# Allegro board ADALM-PLUTO Layout.brd (continued)
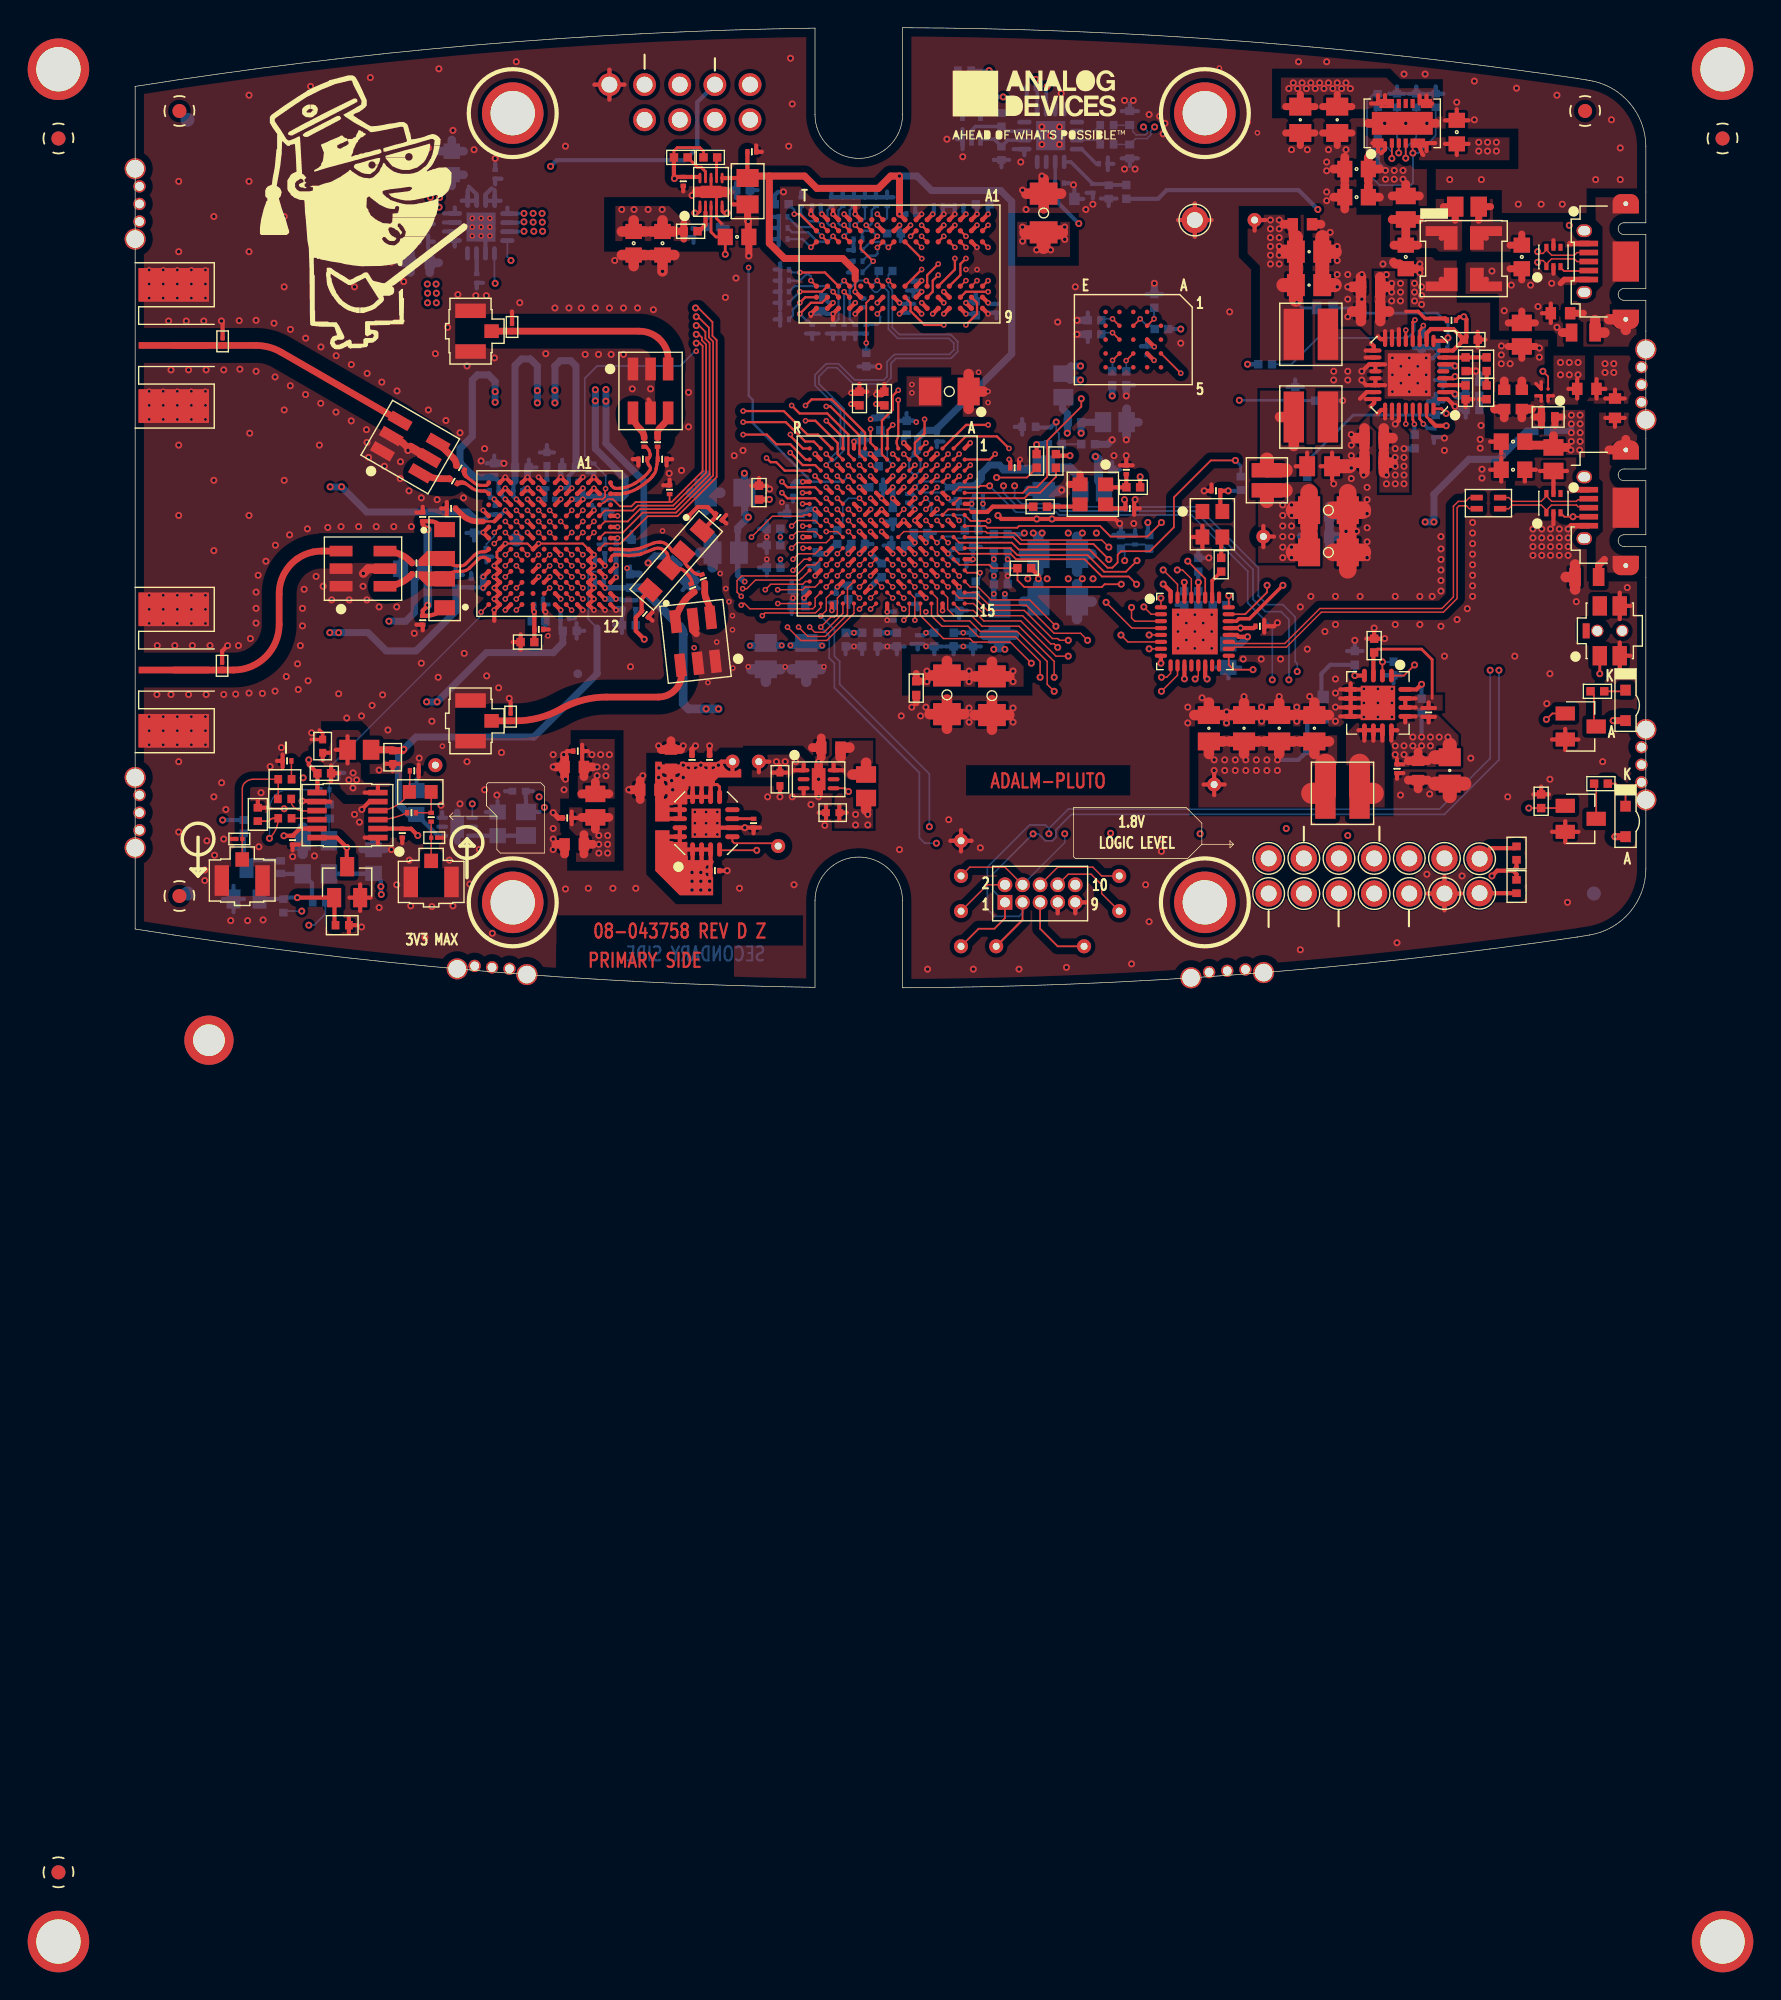
[diagram p0: board, top side]
## Footprints (pads in the part's own frame, mm; a bottom-side part is the same pattern mirrored in y, then rotated) (continued)
L0805
  rect 1.194x1.448 smd: 1(-0.85,0) 2(0.85,0)
L0805-4PH39
  rect 0.889x0.406 smd: 1(-0.845,-0.403) 2(0.845,-0.403) 3(0.845,0.403) 4(-0.845,0.403)
L0805-F
  rect 1.092x1.499 smd: 1(-1.046,0) 2(1.046,0)
L2020_A
  custom 2.311x1.702 smd: 1(-1.606,-1.501) 2(1.606,-1.501) 3(1.606,1.501) 4(-1.606,1.501)
LED0804
  rect 0.787x0.762 smd: A(1.1,0) C(-1.1,0)
LSMSQ79H41
  rect 1.041x2.21 smd: 1(-0.724,0) 2(0.724,0)
LSMSQ157H83
  rect 1.473x3.683 smd: 1(-1.232,0) 2(1.232,0)
MSOP12
  rect 0.406x1.397 smd: 1(-1.625,-2.2) 2(-0.975,-2.2) 3(-0.325,-2.2) 4(0.325,-2.2) 5(0.975,-2.2) 6(1.625,-2.2) 7(1.625,2.2) 8(0.975,2.2) 9(0.325,2.2) 10(-0.325,2.2) 11(-0.975,2.2) 12(-1.625,2.2)
QFN16_4X4_PAD2_1X2_1
  oval 0.356x1.041 smd: 1(-0.975,-1.9) 2(-0.325,-1.9) 3(0.325,-1.9) 4(0.975,-1.9) 9(0.975,1.9) 10(0.325,1.9) 11(-0.325,1.9) 12(-0.975,1.9)
  oval 1.041x0.356 smd: 5(1.9,-0.975) 6(1.9,-0.325) 7(1.9,0.325) 8(1.9,0.975) 13(-1.9,0.975) 14(-1.9,0.325) 15(-1.9,-0.325) 16(-1.9,-0.975)
  rect 2.108x2.108 smd: PAD(0,0)
QFN16_4X4_PAD2_5X2_5
  oval 0.356x0.991 smd: 1(-0.975,-1.974) 2(-0.325,-1.974) 3(0.325,-1.974) 4(0.975,-1.974) 9(0.975,1.974) 10(0.325,1.974) 11(-0.325,1.974) 12(-0.975,1.974)
  oval 0.991x0.356 smd: 5(1.974,-0.975) 6(1.974,-0.325) 7(1.974,0.325) 8(1.974,0.975) 13(-1.974,0.975) 14(-1.974,0.325) 15(-1.974,-0.325) 16(-1.974,-0.975)
  rect 2.489x2.489 smd: PAD(0,0)
QFN32_5X5_PAD3_1X3_1
  oval 0.305x0.889 smd: 1(-1.75,-2.45) 2(-1.25,-2.45) 3(-0.75,-2.45) 4(-0.25,-2.45) 5(0.25,-2.45) 6(0.75,-2.45) 7(1.25,-2.45) 8(1.75,-2.45) 17(1.75,2.45) 18(1.25,2.45) 19(0.75,2.45) 20(0.25,2.45) 21(-0.25,2.45) 22(-0.75,2.45) 23(-1.25,2.45) 24(-1.75,2.45)
  oval 0.889x0.305 smd: 9(2.45,-1.75) 10(2.45,-1.25) 11(2.45,-0.75) 12(2.45,-0.25) 13(2.45,0.25) 14(2.45,0.75) 15(2.45,1.25) 16(2.45,1.75) 25(-2.45,1.75) 26(-2.45,1.25) 27(-2.45,0.75) 28(-2.45,0.25) 29(-2.45,-0.25) 30(-2.45,-0.75) 31(-2.45,-1.25) 32(-2.45,-1.75)
  rect 3.099x3.099 smd: PAD(0,0)
QFN32_5X5_PAD3_3X3_3
  oval 0.305x0.889 smd: 1(-1.75,-2.45) 2(-1.25,-2.45) 3(-0.75,-2.45) 4(-0.25,-2.45) 5(0.25,-2.45) 6(0.75,-2.45) 7(1.25,-2.45) 8(1.75,-2.45) 17(1.75,2.45) 18(1.25,2.45) 19(0.75,2.45) 20(0.25,2.45) 21(-0.25,2.45) 22(-0.75,2.45) 23(-1.25,2.45) 24(-1.75,2.45)
  oval 0.889x0.305 smd: 9(2.45,-1.75) 10(2.45,-1.25) 11(2.45,-0.75) 12(2.45,-0.25) 13(2.45,0.25) 14(2.45,0.75) 15(2.45,1.25) 16(2.45,1.75) 25(-2.45,1.75) 26(-2.45,1.25) 27(-2.45,0.75) 28(-2.45,0.25) 29(-2.45,-0.25) 30(-2.45,-0.75) 31(-2.45,-1.25) 32(-2.45,-1.75)
  rect 3.302x3.302 smd: PAD(0,0)
R0201
  rect 0.305x0.406 smd: 1(-0.318,0) 2(0.318,0)
R0402
  rect 0.61x0.61 smd: 1(-0.495,0) 2(0.495,0)
R0402#2
  rect 0.559x0.61 smd: 1(-0.483,0) 2(0.483,0)
R0402#3
  rect 0.533x0.635 smd: 1(-0.45,0) 2(0.45,0)
R0603
  rect 0.889x0.813 smd: 1(-0.737,0) 2(0.737,0)
R0603#2
  rect 0.711x0.914 smd: 1(-0.6,0) 2(0.6,0)
R0603H18
  rect 0.94x0.991 smd: 1(-0.787,0) 2(0.787,0)
R0805
  rect 0.838x1.295 smd: 1(-0.85,0) 2(0.85,0)
SON10_2X2_PAD1_5X0_9
  oval 0.203x0.762 smd: 1(-0.8,-1) 2(-0.4,-1) 3(0,-1) 4(0.4,-1) 5(0.8,-1) 6(0.8,1) 7(0.4,1) 8(0,1) 9(-0.4,1) 10(-0.8,1)
  rect 1.499x0.889 smd: PAD(0,0)
SOT23
  rect 1.016x1.397 smd: 1(-0.94,-1.118) 2(0.94,-1.118) 3(0,1.118)
SOT353
  rect 0.33x0.94 smd: 1(-0.65,-0.89) 2(0,-0.89) 3(0.65,-0.89) 4(0.65,0.89) 5(-0.65,0.89)
SOT-563
  rect 0.305x0.508 smd: 1(-0.508,-0.699) 2(0,-0.699) 3(0.508,-0.699) 4(0.508,0.699) 5(0,0.699) 6(-0.508,0.699)
SWSML140W138H55
  round 0.889 hole 0.711 unplated: (-0.9,0) (0.9,0)
  rect 1.041x1.397 smd: 1(-0.721,-1.799) 2(-0.721,1.799) 3(0.721,-1.799) 4(0.721,1.799)
  rect 0.508x1.092 smd: 5(-1.704,0)
TBGA24
  round 0.33 smd: A2(-2,-1) A3(-2,0) A4(-2,1) A5(-2,2) B1(-1,-2) B2(-1,-1) B3(-1,0) B4(-1,1) B5(-1,2) C1(0,-2) C2(0,-1) C3(0,0) C4(0,1) C5(0,2) D1(1,-2) D2(1,-1) D3(1,0) D4(1,1) D5(1,2) E1(2,-2) E2(2,-1) E3(2,0) E4(2,1) E5(2,2)
TPC75D45
  round 1.905 hole 1.143: 1(0,0)
TPSMC40
  round 1.016 hole 0.508: 1(0,0)
TPSMC40#2
  round 1.016 smd: 1(0,0)
TPSMC40#3
  round 1.905 hole 1.143: 1(0,0)
TSML150W160H160
  rect 0.762x1.651 smd: 1(-1.27,1.587) 2(0,1.587) 3(1.27,1.587) 4(1.27,-1.587) 5(0,-1.587) 6(-1.27,-1.587)
unnamed
  round 3.556 hole 2.286 unplated: (0,0)
unnamed#5
  round 4.445 hole 3.2 unplated: (0,0)
unnamed#6
  round 1.524 hole 1.27 unplated: (0,0)
unnamed#7
  round 0.889 hole 0.635 unplated: (0,0)
unnamed#8
  round 1.016 smd: (0,0)
unnamed#3
  round 1.905 hole 1.143: 1(0,0)
unnamed#2
  round 1.651 hole 1.143: 1(0,0)
unnamed#4
  round 1.016 hole 0.508: 1(0,0)
WLCSP4-2
  round 0.254 smd: A1(-0.25,-0.25) A2(-0.25,0.25) B1(0.25,-0.25) B2(0.25,0.25)
YSML98W79H35
  rect 1.092x0.991 smd: 1(-0.921,-0.72) 2(0.921,-0.72) 3(0.921,0.72) 4(-0.921,0.72)
YSML126W98H47
  rect 1.397x1.194 smd: 1(-1.2,-0.95) 2(1.2,-0.95) 3(1.2,0.95) 4(-1.2,0.95)

## Nets
1V8: C1.1 C10.1 C22.1 C25.1 C46.1 C48.1 C49.1 C50.1 C51.1 C52.1 C53.1 C65.1 C67.1 C69.1 C76.1 C77.1 C78.1 C82.1 C83.1 C90.1 C103.1 C104.1 C105.1 C106.1 C107.1 C108.1 C109.1 C110.1 C111.1 C112.1 C113.1 C114.1 C115.1 C116.1 C117.1 C118.1 C119.1 C120.1 C140.1 C149.1 C150.1 C152.1 C153.1 C154.1 C158.1 C159.1 C160.1 C161.1 C162.1 C163.2(N2) C168.1 C174.1 C186.1 C190.1 E1.1 E4.1 E5.1 L5.2(N2) P1.10(N5) R8.1 R11.1 R13.1 R14.1 R44.1 R45.1 R46.2(N2) R47.2(N2) R50.2(N2) R57.1 R64.2(N2) R68.1 R74.1 R76.1 R83.1 R84.2(N2) R94.1 R97.1 R107.1 R122.2(N2) U1.1 U1.2 U1.3 U1.15 U1.16 U4.A6 U4.B13 U4.C10 U4.D7 U4.E14 U4.F11 U4.G4 U4.H4 U4.H9 U4.H15 U4.J4 U4.J6 U4.J8 U4.J12 U4.K8 U4.K9 U4.L6 U4.M13 U4.N10 U4.P7 U4.R14 U7.1 U7.2 U7.3 U7.15 U7.16 U9.1(VCCIO) U10.5 U13.B4 U15.8 U15.11 U15.14 U15.28 U15.30 U15.32 UNK1V8.1 UNK1V8#2.1 Y1.4(VDD) Y2.4(VDD)
1V35: C54.1 C55.1 C56.1 C57.1 C58.1 C59.1 C60.1 C61.1 C86.1 C87.1 C88.1 C89.1 C91.1 C92.1 C94.1 C95.1 C96.1 C97.1 C100.1 C145.1 C148.1 C151.1 L2.2(N2) R41.2(N2) R62.1 U2.A1 U2.A8 U2.B2 U2.C1 U2.C9 U2.D2 U2.D9 U2.E9 U2.F1 U2.G7 U2.H2 U2.H9 U2.K2 U2.K8 U2.N1 U2.N9 U2.R1 U2.R9 U4.B3 U4.E4 U4.F1 U4.J2 U4.M3 U4.R4 U14.1 UNK1V35.1
GND: C1.2(N2) C2.2(N2) C3.2(N2) C4.2(N2) C5.2(N2) C6.2(N2) C7.1 C8.2(N2) C9.2(N2) C10.2(N2) C11.2(N2) C12.2(N2) C13.2(N2) C14.2(N2) C15.2(N2) C16.2(N2) C17.2(N2) C18.2(N2) C19.2(N2) C20.2(N2) C21.2(N2) C22.2(N2) C23.2(N2) C24.2(N2) C25.2(N2) C26.2(N2) C27.2(N2) C28.2(N2) C29.2(N2) C30.2(N2) C31.2(N2) C32.2(N2) C33.2(N2) C34.2(N2) C35.2(N2) C36.2(N2) C37.2(N2) C38.2(N2) C39.2(N2) C40.2(N2) C41.2(N2) C42.2(N2) C43.2(N2) C44.2(N2) C45.2(N2) C46.2(N2) C47.2(N2) C48.2(N2) C49.2(N2) C50.2(N2) C51.2(N2) C52.2(N2) C53.2(N2) C54.2(N2) C55.2(N2) C56.2(N2) C57.2(N2) C58.2(N2) C59.2(N2) C60.2(N2) C61.2(N2) C62.1 C63.1 C64.2(N2) C65.2(N2) C66.2(N2) C67.2(N2) C68.2(N2) C69.2(N2) C70.2(N2) C71.2(N2) C72.2(N2) C73.2(N2) C74.2(N2) C75.2(N2) C76.2(N2) C77.2(N2) C78.2(N2) C79.2(N2) C80.2(N2) C81.2(N2) C82.2(N2) C83.2(N2) C84.2(N2) C85.2(N2) C86.2(N2) C87.2(N2) C88.2(N2) C89.2(N2) C90.2(N2) C91.2(N2) C92.2(N2) C94.2(N2) C95.2(N2) C96.2(N2) C97.2(N2) C99.1 C100.2(N2) C101.2(N2) C102.2(N2) C103.2(N2) C104.2(N2) C105.2(N2) C106.2(N2) C107.2(N2) C108.2(N2) C109.2(N2) C110.2(N2) C111.2(N2) C112.2(N2) C113.2(N2) C114.2(N2) C115.2(N2) C116.2(N2) C117.2(N2) C118.2(N2) C119.2(N2) C120.2(N2) C121.2(N2) C122.2(N2) C123.2(N2) C124.2(N2) C125.1 C126.1 C127.2(N2) C128.2(N2) C129.1 C135.2(N2) C136.2(N2) C137.2(N2) C138.2(N2) C139.1 C140.2(N2) C141.2(N2) C142.1 C143.1 C145.2(N2) C146.2(N2) C147.1 C148.2(N2) C149.2(N2) C150.2(N2) C151.2(N2) C152.2(N2) C153.2(N2) C154.2(N2) C155.2(N2) C158.2(N2) C159.2(N2) C160.2(N2) C161.2(N2) C162.2(N2) C163.1 C164.2(N2) C165.2(N2) C166.1 C167.2(N2) C168.2(N2) C169.2(N2) C170.2(N2) C171.2(N2) C172.2(N2) C173.2(N2) C174.2(N2) C177.1 C178.2(N2) C180.2(N2) C182.2(N2) C183.2(N2) C184.2(N2) C185.2(N2) C186.2(N2) C187.2(N2) C188.2(N2) C189.2(N2) C190.2(N2) C191.2(N2) C192.2(N2) C193.1 C194.1 C195.2(N2) C196.1 C197.1 C198.2(N2) C199.2(N2) C200.2(N2) C201.2(N2) C202.2(N2) C203.2(N2) C205.2(N2) C206.2(N2) C207.1 C208.2(N2) C209.2(N2) C210.2(N2) C211.2(N2) C212.2(N2) C213.2(N2) C215.2(N2) CLK_IN.2 CLK_IN.3(SH2) CLK_OUT.2 CLK_OUT.3(SH2) D1.2 D3.1 D4.1 D7.1 D8.1 D9.1 D10.1 E6.1 E10.1 GND.1 GND#2.1 GND#3.1 GND#4.1 L10.3 P1.7 P1.9 P2.5 Q1.2(S) Q2.2(S) Q3.2(S) Q4.2(S) R2.1 R3.1 R9.2(N2) R15.2(N2) R40.2(N2) R42.2(N2) R49.1 R53.1 R54.2(N2) R55.2(N2) R61.1 R63.2(N2) R65.1 R66.1 R69.1 R72.2(N2) R73.2(N2) R75.2(N2) R77.2(N2) R78.1 R90.2(N2) R91.2(N2) R92.2(N2) R93.2(N2) R99.2(N2) R103.2(N2) R104.1 R116.2(N2) R119.2(N2) R120.2(N2) R121.2(N2) R165.2(N2) RX1A.2 RX1A.3 RX1A.4 RX1A.5(SH4) RX2A.2 RX2A.3(SH2) S1.3 S1.4 T1.1 T1.2 T1.5 T2.1 T2.2 T2.5 T3.1 T3.2 T3.5 T5.1 T5.2 T5.5 TX1A.2 TX1A.3 TX1A.4 TX1A.5(SH4) TX2A.2 TX2A.3(SH2) U1.6 U1.PAD U2.A9 U2.B1 U2.B3 U2.B9 U2.D1 U2.D8 U2.E1 U2.E2 U2.E8 U2.F9 U2.G1 U2.G8 U2.G9 U2.J2 U2.J8 U2.M1 U2.M9 U2.P1 U2.P9 U2.T1 U2.T9 U3.5 U3.6 U3.7 U3.8 U3.PAD U4.A1 U4.A11 U4.B8 U4.C5 U4.C15 U4.D2 U4.D12 U4.E5 U4.E7 U4.E8 U4.E9 U4.F10 U4.G3 U4.G5 U4.G13 U4.H6 U4.H8 U4.H10 U4.J5 U4.J9 U4.K4 U4.K7 U4.K10 U4.K14 U4.L1 U4.L5 U4.L11 U4.M8 U4.N5 U4.N15 U4.P2 U4.P12 U4.R9 U5.A4 U5.A5 U5.A6 U5.A12 U5.B1 U5.B2 U5.B12 U5.C1 U5.C2 U5.C4 U5.C7 U5.C8 U5.C9 U5.C10 U5.C11 U5.C12 U5.D1 U5.D12 U5.E1 U5.F1 U5.F3 U5.F7 U5.F9 U5.F11 U5.G1 U5.G10 U5.G12 U5.H1 U5.H2 U5.H3 U5.H5 U5.H6 U5.H7 U5.H9 U5.H10 U5.J1 U5.J2 U5.K1 U5.K2 U5.K12 U5.L1 U5.L2 U5.L3 U5.L7 U5.L8 U5.L9 U5.L10 U5.L11 U5.L12 U5.M4 U5.M5 U5.M6 U6.1 U6.19 U6.20 U6.21 U6.22 U6.PAD U7.6 U7.PAD U8.PAD U9.3 U9.13 U9.PAD U10.3 U11.3 U11.PAD U12.3 U12.PAD U13.B3 U14.4 U14.8 U14.PAD U15.PAD U16.B2 U17.1 U17.5 U17.8 Y1.2 Y2.2 Y3.2
PGND: C181.1 C214.2(N2) D2.2 E10.2(N2) L10.4(N4) P3.5 R58.2(N2)
VCCPINT: C17.1 C19.1 C20.1 C21.1 C64.1 C66.1 C68.1 C70.1 C71.1 C72.1 C73.1 C74.1 C75.1 L4.2(N2) R7.2(N2) U4.E10 U4.F9 U4.G6 U4.G10 U4.H5 U4.J10 U4.K5 U4.L10 UNK1P0V.1
VCCPLL: C85.1 C178.1 E1.2(N2) U4.F5(VCCPLL)
VDD33_USB: C165.1 U15.20
VDD_INTERFACE: C32.1 C33.1 C38.1 C43.1 C44.1 C45.1 E4.2(N2) U5.H12
VDDA1P1_RX_VCO: C125.2(N2) R51.2(N2) U5.G2 U5.G3
VIN: C8.1 C9.1 C11.1 C62.2(N2) C123.1 C135.1 C136.1 C137.1 C138.1 C164.1 C169.1 C184.1 C185.1 C188.1 C215.1 DS1.A(P) DS2.A(P) E2.1 E7.1 R1.2(N2) R6.1 R56.1 R59.2(N2) R221.1 R222.1 U3.12 U3.13 U6.14 U6.15 U6.16(VIN6) U6.25 U6.26 U6.27 U6.28 U8.9 U8.10 U8.15 U8.16 U9.10 U14.10 U15.21
VIN_5V_USB_DATA: C183.1 C210.1 E3.1 F1.2(N2) R88.1 U8.7 U8.8
VIN_5V_USB_POWER: C182.1 C209.1 C212.1 E9.1 R70.1 R80.1 U8.1 U8.2 U16.A1
1P3_SUPPLY_A: C14.1 C15.1 C16.1 C18.1 C23.1 C24.1 C28.1 C29.1 C34.1 C35.1 C39.1 C40.1 U5.B9 U5.B10 U5.E2 U5.F2 U5.J3 U5.K3 U7.9 U7.10 U7.11 U7.12 U7.13 U7.14(VOUT5) UNK1P3V_A.1
1P3_SUPPLY_B: C3.1 C4.1 C5.1 C6.1 C26.1 C27.1 C30.1 C31.1 C36.1 C37.1 C41.1 C42.1 C129.2(N2) C155.1 C166.2(N2) C167.1 C191.1 C192.1 C193.2(N2) C194.2(N2) L1.1 L7.1 L8.1 L9.1 U1.9 U1.10 U1.11 U1.12 U1.13 U1.14(VOUT5) U5.A9 U5.A10 U5.D2 U5.D3 U5.E3 U5.F12 U5.K4 U5.M9 U5.M10 UNK1P3V_B.1
1P8V_CLK: C121.1 C122.1 C170.1 R101.1 U12.1(VOUT) UNK1P8V_CLK.1 Y3.4(VDD)
3P3V: C198.1 C199.1 C203.1 E8.1 U5.B8 U11.1(VOUT) VDD_GPO.1(N1)
3P3V_CLK: C200.1 C201.1 C202.1 E8.2(N2) R85.1 U17.2 U17.6 U17.11(VDD)
AD9363_AUXADC: ADC.1(N1) C207.2(N2) U5.L5
AD9363_AUXDAC1: C206.1 DAC1.1(N1) R5.1 U5.B3
AD9363_AUXDAC2: C208.1 DAC2.1(N1) U5.C3
AD9363_GPO_0: GPO0.1(N1) U5.B7
AD9363_GPO_1: GPO1.1(N1) U5.B6
AD9363_GPO_2: GPO2.1(N1) U5.B5
AD9363_GPO_3: GPO3.1(N1) U5.B4
ADP2114_VIN: C141.1 R56.2(N2) U6.4 U6.8 U6.10 U6.31
CLK_SOURCE_SEL: Q2.1 Q3.1 R102.1 R103.1
COMP_1P8V: C142.2(N2) R60.1 U6.2
COMP_1P35V: C143.2(N2) C144.1 U6.7
CTRL_IN0: U4.F13 U5.C5
CTRL_IN1: U4.F14 U5.C6
CTRL_IN2: U4.G15 U5.D6
CTRL_IN3: U4.F15 U5.D5
DDR3_A0: R16.1 U2.N3 U4.P1
DDR3_A1: R22.1 U2.P7 U4.N1
DDR3_A2: R17.1 U2.P3 U4.M1
DDR3_A3: R23.1 U2.N2 U4.M4
DDR3_A4: R18.1 U2.P8 U4.P3
DDR3_A5: R24.1 U2.P2 U4.P4
DDR3_A6: R19.1 U2.R8 U4.P5
DDR3_A7: R25.1 U2.R2 U4.M5
DDR3_A8: R20.1 U2.T8 U4.P6
DDR3_A9: R26.1 U2.R3 U4.N4
DDR3_A10: R21.1 U2.L7 U4.J1
DDR3_A11: R27.1 U2.R7 U4.L2
DDR3_A12: R28.1 U2.N7 U4.M2
DDR3_A13: R34.1 U2.T3 U4.K2
DDR3_A14: R29.1 U2.T7 U4.K1
DDR3_BA0: R35.1 U2.M2 U4.M6
DDR3_BA1: R30.1 U2.N8 U4.R1
DDR3_BA2: R36.1 U2.M3 U4.N6
DDR3_CAS#: R32.1 U2.K3 U4.R5
DDR3_CK_N: R142.2(N2) U2.K7 U4.N2
DDR3_CK_P: R142.1 U2.J7 U4.N3
DDR3_CKE: R38.1 U2.K9 U4.L3
DDR3_CS#: R39.1 U2.L2 U4.R2
DDR3_DM0: U2.E7 U4.B1
DDR3_DM1: U2.D3 U4.D3
DDR3_DQ0: U2.E3 U4.D4
DDR3_DQ1: U2.F7 U4.A2
DDR3_DQ2: U2.F2 U4.C4
DDR3_DQ3: U2.F8 U4.C1
DDR3_DQ4: U2.H3 U4.B4
DDR3_DQ5: U2.H8 U4.A4
DDR3_DQ6: U2.G2 U4.C3
DDR3_DQ7: U2.H7 U4.A3
DDR3_DQ8: U2.D7 U4.E1
DDR3_DQ9: U2.C3 U4.D1
DDR3_DQ10: U2.C8 U4.E2
DDR3_DQ11: U2.C2 U4.E3
DDR3_DQ12: U2.A7 U4.F3
DDR3_DQ13: U2.A2 U4.G1
DDR3_DQ14: U2.B8 U4.H1
DDR3_DQ15: U2.A3 U4.H2
DDR3_DQS0_N: U2.G3 U4.B2
DDR3_DQS0_P: U2.F3 U4.C2
DDR3_DQS1_N: U2.B7 U4.F2
DDR3_DQS1_P: U2.C7 U4.G2
DDR3_ODT: R33.1 U2.K1 U4.K3
DDR3_RAS#: R37.1 U2.J3 U4.R6
DDR3_RST#: R42.1 U2.T2 U4.L4
DDR3_WE#: R31.1 U2.L3 U4.R3
EN_DAT_USB: R71.2(N2) R72.1 U8.6
EN_POW_USB: R70.2(N2) R71.1 U8.3
FB0: R2.2(N2) R4.1 U3.4
FB_1P8V: R64.1 R65.2(N2) U6.32
FB_1P35V: R62.2(N2) R63.1 U6.9
IO_02_34_AD9361_CLKOUT: AD9361_CLKOUT.1(N1) U4.P8 U5.J6
IO_02_34_AD9361_RST: U4.P9 U5.K5
IO_L01_34_FB_CLK: U4.P10 U5.F10
IO_L01_34_RX_D0: U4.H14 U5.K11
IO_L01_34_RX_D1: U4.J13 U5.J12
IO_L02_34_RX_D2: U4.G14 U5.K10
IO_L02_34_RX_D3: U4.H13 U5.J11
IO_L03_34_RX_D4: U4.G12 U5.K9
IO_L03_34_RX_D5: U4.H12 U5.J10
IO_L04_34_RX_D6: U4.G11 U5.K8
IO_L04_34_RX_D7: U4.J14 U5.J9
IO_L05_34_RX_D8: U4.J15 U5.K7
IO_L05_34_RX_D9: U4.K15 U5.J8
IO_L06_34_RX_D10: U4.H11 U5.J7
IO_L06_34_RX_D11: U4.J11 U5.H8
IO_L07_34_RX_FRAME: U4.N13 U5.G8
IO_L08_34_CTRL_OUT0: U4.L15 U5.D4
IO_L08_34_CTRL_OUT1: U4.M15 U5.E4
IO_L09_34_TX_FRAME: U4.L14 U5.G9
IO_L10_34_EN_AGC: U4.L13 U5.G5
IO_L11_34_ENABLE: U4.K12 U5.G6
IO_L11_34_TXNRX: U4.K11 U5.H4
IO_L12_MRCC_34_DATA_CLK: U4.L12 U5.G11
IO_L13_34_CTRL_OUT2: U4.N11 U5.E5
IO_L13_34_CTRL_OUT3: U4.N12 U5.E6
IO_L15_34_TX_D0: U4.P15 U5.E12
IO_L15_34_TX_D1: U4.R13 U5.D11
IO_L16_34_TX_D2: U4.R15 U5.E11
IO_L16_34_TX_D3: U4.P11 U5.D10
IO_L17_34_TX_D4: U4.R11 U5.E10
IO_L17_34_TX_D5: U4.R12 U5.D9
IO_L18_34_TX_D6: U4.P14 U5.E9
IO_L18_34_TX_D7: U4.P13 U5.D8
IO_L19_34_TX_D8: U4.N9 U5.E8
IO_L19_34_TX_D9: U4.M9 U5.D7
IO_L20_34_TX_D10: U4.R8 U5.F8
IO_L20_34_TX_D11: U4.R7 U5.E7
IO_L21_34_CTRL_OUT4: U4.M10 U5.F6
IO_L21_34_CTRL_OUT5: U4.M11 U5.F5
IO_L22_34_CTRL_OUT6: U4.N7 U5.F4
IO_L22_34_CTRL_OUT7: U4.N8 U5.G4
IO_L23_35_SPI_CLK: U4.E11 U5.J5
IO_L23_35_SPI_ENB: U4.E12 U5.K6
IO_L24_35_SPI_DI: U4.E13 U5.J4
IO_L24_35_SPI_DO: U4.F12 U5.L6
JTAG_TCK: P1.4 TCK.1(N1) U4.G9
JTAG_TDI: P1.8 TDI.1(N1) U4.L7
JTAG_TDO: P1.6 TDO.1(N1) U4.L8
JTAG_TMS: P1.2 TMS.1(N1) U4.L9
PG_1P0V: R6.2(N2) U3.16
PG_1P3V: C47.1 PG_1P3V.1(N1) R13.2(N2) R15.1 U1.5 U4.C9 U7.5 U11.4 U12.4
PG_1P8V: R59.1 U6.13 U6.29
PG_1P35V: R50.1 U1.4 U6.12 U7.4
PL_GPIO0: L10P.1(N1) U4.K13
PL_GPIO1: L12N.1(N1) U4.M12
PL_GPIO2: L24N.1(N1) U4.R10
PL_GPIO3: L7N.1(N1) R97.2(N2) U4.N14
PL_GPIO4: L9N.1(N1) R68.2(N2) U4.M14
PS-SRST#: R74.2(N2) U4.B11 U13.A4
PS_GPIO0: MIO0.1(N1) U4.D8
PS_GPIO1: MIO10.1(N1) U4.B10
PS_GPIO2: MIO11.1(N1) U4.D6
PS_GPIO3: MIO09.1(N1) U4.B5
PS_GPIO4: MIO53.1(N1) U4.C13
PS_GPIO5: MIO49.1(N1) U4.D13
PS_GPIO6: MIO48.1(N1) R102.2(N2) U4.B12
PS_MIO01_500_QSPI0_SS_B: R14.2(N2) U4.A5 U13.C2
PS_MIO02_500_QSPI0_IO0: R120.1 U4.A8 U13.D3
PS_MIO03_500_QSPI0_IO1: R119.1 U4.A7 U13.D2
PS_MIO04_500_QSPI0_IO2: R121.1 U4.C8 U13.C4(W#DQ2)
PS_MIO05_500_QSPI0_IO3: JTAG_BOOT.1(N1) P1.5 R122.1 U4.A9 U13.D4
PS_MIO06_500_QSPI0_SCLK: R116.1 U4.A10 U13.B2
PS_MIO07_500_USB_RESET_B: R76.2(N2) U4.A12 U15.27
PS_MIO28_501_USB0_D4: U4.A15 U15.7
PS_MIO29_501_USB0_DIR: U4.D11 U15.31
PS_MIO30_501_USB0_STP: U4.B15 U15.29
PS_MIO31_501_USB0_NXT: U4.C12 U15.2
PS_MIO32_501_USB0_D0: U4.E15 U15.3
PS_MIO33_501_USB0_D1: U4.C11 U15.4
PS_MIO34_501_USB0_D2: U4.D15 U15.5
PS_MIO35_501_USB0_D3: U4.A14 U15.6
PS_MIO36_501_USB0_CLK: U4.B14 U15.1
PS_MIO37_501_USB0_D5: U4.C14 U15.9
PS_MIO38_501_USB0_D6: U4.A13 U15.10
PS_MIO39_501_USB0_D7: U4.D14 U15.13
PWR_CLK: R89.2(N2) R90.1 U3.1
RX1A_N: C133.2(N2) U5.M2
RX1A_P: C134.2(N2) U5.M1
RX2A_N: C175.2(N2) R69.2(N2) U5.A1
RX2A_P: C176.2(N2) R104.2(N2) U5.A2
SYNC: L4.1 U3.9 U3.10 U3.11
TX1A_N: C131.1 L8.2(N2) U5.M8
TX1A_P: C132.1 L9.2(N2) U5.M7
TX2A_N: C130.1 L1.2(N2) U5.A7
TX2A_P: C156.1 L7.2(N2) U5.A8
TX_VCO_1P1V_SUPPLY: C128.1 R52.1 U5.A11 U5.B11
UART_RX: P1.1 R95.2(N2) RX.1(N1) U4.C6
UART_TX: P1.3 TX.1(N1) U4.B7 U9.2
UNNAMED_2_ADM7160V2_I254_VIN: C173.1 E2.2(N2) U12.6
UNNAMED_2_ADM7160V2_I348_VIN: C195.1 E7.2(N2) U11.6
UNNAMED_2_ADP1754_I93_SS: C2.1 U1.7
UNNAMED_2_ADP1754_I233_SS: C12.1 U7.7
UNNAMED_2_ADP2164_I29_EN: C13.1 R1.1 U3.3 U3.14(VIN) U3.15
UNNAMED_2_ADP2164_I29_RT: R3.2(N2) U3.2
UNNAMED_2_RES_I251_N2: R4.2(N2) R7.1
UNNAMED_3_ICXC7Z010_I16_PSCLK50: R12.2(N2) U4.C7
UNNAMED_3_ICXC7Z010_I16_PSMIO75: R83.2(N2) U4.D9
UNNAMED_3_ICXC7Z010_I16_PSMIO85: R84.1 U4.B6
UNNAMED_3_RES_I2_N1: R8.2(N2) R9.1 Y2.1
UNNAMED_3_RES_I48_N1: R12.1 Y2.3
UNNAMED_4_ICMT41K256M16_I98_ZQ: R165.1 U2.L8(ZQ)
UNNAMED_4_ICTPS51206_I44_S3: R222.2(N2) U14.7
UNNAMED_4_ICTPS51206_I44_S5: R221.2(N2) U14.9
UNNAMED_4_ICTPS51206_I44_VLDOIN: R44.2(N2) U14.2
UNNAMED_4_ICTPS51206_I44_VTTSNS: C80.1 R43.2(N2) U14.5(VTTSNS)
UNNAMED_4_ICXC7Z010_I26_PSDDR_1: R40.1 U4.H3
UNNAMED_4_ICXC7Z010_I26_PSDDRVR: R41.1 U4.J3
UNNAMED_5_CAP_I83_N1: C93.1 C98.1 E5.2(N2) U4.F7
UNNAMED_5_CAP_I83_N2: C93.2(N2) C98.2(N2) E6.2(N2) U4.F6 U4.F8 U4.G8 U4.H7 U4.J7
UNNAMED_5_DIOLED_I62_N: DS2.C R87.1
UNNAMED_5_DIOLED_I91_N: DS1.C R48.1
UNNAMED_5_ICXC7Z010_I93_DONE0: Q1.1 U4.M7
UNNAMED_5_ICXC7Z010_I93_INITB0: R47.1 U4.D5
UNNAMED_5_ICXC7Z010_I93_PROGRAM: R46.1 U4.K6
UNNAMED_5_ICXC7Z010_I93_VCCBATT: R45.2(N2) U4.E6
UNNAMED_5_ICXC7Z010_I93_VP0: R11.2(N2) R66.2(N2) R91.1 U4.G7
UNNAMED_5_RES_I63_N2: Q4.3 R87.2(N2)
UNNAMED_5_RES_I90_N2: Q1.3 R48.2(N2)
UNNAMED_7_AD9363_I87_RBIAS: R49.2(N2) U5.L4
UNNAMED_7_AD9363_I87_XTALN: C124.1 C157.2(N2) C204.2(N2) U5.M12(XTALN)
UNNAMED_7_CAP_I14_N1: C157.1 R86.2(N2) R99.1
UNNAMED_7_CAP_I22_N2: C126.2(N2) R51.1
UNNAMED_7_CAP_I25_N1: C127.1 R52.2(N2)
UNNAMED_7_CAP_I57_N2: C132.2(N2) T5.4
UNNAMED_7_CAP_I58_N2: C131.2(N2) T5.6(SEC_DOT)
UNNAMED_7_CAP_I85_N1: C134.1 T1.4
UNNAMED_7_CAP_I86_N1: C133.1 T1.6(SEC_DOT)
UNNAMED_7_CAP_I92_N1: C179.1 CLK_IN.1 D7.2(N2)
UNNAMED_7_CAP_I92_N2: C179.2(N2) R10.1 R96.1
UNNAMED_7_CAP_I93_N1: C180.1 R96.2(N2) U17.4
UNNAMED_7_CAP_I116_N1: C175.1 T2.6(SEC_DOT)
UNNAMED_7_CAP_I117_N1: C176.1 T2.4
UNNAMED_7_CAP_I118_N2: C130.2(N2) T3.6(SEC_DOT)
UNNAMED_7_CAP_I119_N2: C156.2(N2) T3.4
UNNAMED_7_CAP_I147_N1: C205.1 R100.1
UNNAMED_7_CAP_I149_N1: C204.1 Y3.3
UNNAMED_7_CNBNC3P_I43_CNTR: D3.2(N2) RX2A.1 T2.3
UNNAMED_7_CNBNC3P_I74_CNTR: D10.2(N2) T3.3 TX2A.1
UNNAMED_7_CNBNC3P_I125_CNTR: CLK_OUT.1 D8.2(N2) R98.2(N2) R100.2(N2)
UNNAMED_7_CNBNC5P_I64_CNTR: D4.2(N2) RX1A.1 T1.3
UNNAMED_7_CNBNC5P_I83_CNTR: D9.2(N2) T5.3 TX1A.1
UNNAMED_7_ICLTC6957V3_I120_IN: R10.2(N2) U17.3
UNNAMED_7_ICLTC6957V3_I120_OUT1: R86.1 U17.10
UNNAMED_7_ICLTC6957V3_I120_OUT2: R98.1 U17.9
UNNAMED_7_ICLTC6957V3_I120_SD1: Q3.3 R85.2(N2) U17.7 U17.12
UNNAMED_7_RES_I152_N1: R5.2(N2) R67.1 Y3.1
UNNAMED_7_RES_I152_N2: Q2.3 R67.2(N2) R101.2(N2)
UNNAMED_9_ADP198_I365_VOUT: C171.1 C172.1 F1.1 U16.A2(VOUT)
UNNAMED_9_ADP2114_I196_FREQ: R53.2(N2) U6.3
UNNAMED_9_ADP2114_I196_OPCFG: R54.1 U6.6
UNNAMED_9_ADP2114_I196_SS1: C7.2(N2) U6.30
UNNAMED_9_ADP2114_I196_SS2: C139.2(N2) U6.11
UNNAMED_9_ADP2114_I196_SW1: L3.1 R89.1 U6.23 U6.24
UNNAMED_9_ADP2114_I196_SW3: L2.1 U6.17 U6.18
UNNAMED_9_CAP_I163_N1: C146.1 L3.2(N2) L5.1
UNNAMED_9_CAP_I214_N2: C147.2(N2) R60.2(N2)
UNNAMED_9_CAP_I224_N2: C144.2(N2) R61.2(N2)
UNNAMED_9_CAP_I358_N2: C177.2(N2) P2.SH1 P2.SH2 P2.SH3(N8) R55.1
UNNAMED_9_CAP_I377_N2: C181.2(N2) P3.SH1 P3.SH2 P3.SH3(N8) R58.1
UNNAMED_9_CAP_I446_N1: C214.1 D2.5(VCC) E11.2(N2) L10.1 P3.1
UNNAMED_9_CAP_I447_N1: C213.1 E9.2(N2) E11.1 L10.2
UNNAMED_9_CHOKE4P_I350_N2: D1.1 L6.2 P2.3
UNNAMED_9_CHOKE4P_I350_N3: D1.6 L6.3 P2.2
UNNAMED_9_CN5P3SHLD_I359_N1: C211.1 D1.5(VCC) E3.2(N2) P2.1
UNNAMED_9_CN5P3SHLD_I378_N4: D2.3 P3.4
UNNAMED_9_LINLTC4415_I386_CLIM1: R78.2(N2) U8.4
UNNAMED_9_LINLTC4415_I386_CLIM2: R73.1 U8.5
UNNAMED_11_741G126_I97_Y: R94.2(N2) R95.1 U10.4(Y)
UNNAMED_11_CAP_I83_N1: C187.1 R80.2(N2) R92.1 U9.9
UNNAMED_11_CAP_I92_N1: C189.1 U9.8
UNNAMED_11_ICFT230XQ_I103_USBDM: R79.2(N2) U9.7
UNNAMED_11_ICFT230XQ_I103_USBDP: R81.2(N2) U9.6
UNNAMED_11_ICUSB3320C_I29_RBIAS: R77.1 U15.24
UNNAMED_11_ICUSB3320C_I29_REFCL: R82.1 U15.26
UNNAMED_11_RES_I67_N2: R82.2(N2) Y1.3
USB_FS_SLEEP: R93.1 U9.14 U10.1
USB_ID: D1.3 P2.4 U15.23
USB_OTG_CPEN: U15.17 U16.B1
USB_OTG_N: L6.4(N4) U15.19
USB_OTG_P: L6.1 U15.18
USB_UART_N: C196.2(N2) D2.6 P3.2 R79.1
USB_UART_P: C197.2(N2) D2.1 P3.3 R81.1
USB_UART_TX: R107.2(N2) U9.15 U10.2
USB_VBUS_OTG: R88.2(N2) U15.22
USR_BTN: R57.2(N2) S1.1 U4.B9
USR_LED: Q4.1 R75.1 U4.D10
VTT_0P75: C79.1 C101.1 R16.2(N2) R17.2(N2) R18.2(N2) R19.2(N2) R20.2(N2) R21.2(N2) R22.2(N2) R23.2(N2) R24.2(N2) R25.2(N2) R26.2(N2) R27.2(N2) R28.2(N2) R29.2(N2) R30.2(N2) R31.2(N2) R32.2(N2) R33.2(N2) R34.2(N2) R35.2(N2) R36.2(N2) R37.2(N2) R38.2(N2) R39.2(N2) R43.1 U14.3
VTTVREF: C63.2(N2) C81.1 C84.1 C99.2(N2) C102.1 U2.H1 U2.M8 U4.F4 U14.6

Pads without a net: D1 4; D2 4; S1 2 5; U1 8; U2 J1 J9 L1 L9 M7; U5 A3 G7 H11 M3 M11; U6 5; U7 8; U8 11 12 13 14; U9 4 5 11 12 16; U11 2 5; U12 2 5; U13 A2 A3 A5 B1 B5 C1 C3 C5 D1 D5 E1 E2 E3 E4 E5; U15 12 15 16 25; Y1 1

## Via types
v1: diameter 0.508, hole 0.254, TOP to BOTTOM, 883 vias
v2: diameter 0.406, hole 0.203, TOP to BOTTOM, 601 vias

## Routing (per net, layer and track width the routed paths; a pad name or vN(x,y) marks a point on that pad's centre or on a via; arc(x,y) is an arc through that point)
1V8: length 140.5
  TOP w0.203: 41.57,9.21 41.69,9.09
  TOP w0.305: v1(75.79,29.28) 75.8,29.27 U15.30 ; v1(74.27,29.16) 74.8,28.62 U15.32 ; C25.1 31.94,12.27 ; C25.1 31.53,11.81 ; C25.1 31.53,12.72 ; U4.E14 v2(57.13,28.15) ; v1(71.47,35.25) 71.54,35.19 C46.1 70.4,34.62 Y2.4 ; 41.57,9.21 U7.3 U7.2 ; 99.54,8.46 99.79,8.2 R68.1 ; 99.54,8.46 99.79,8.71 R97.1 ; 99.54,8.46 98.4,8.46 v1(98.02,8.07) ; U4.F11 v2(56.33,30.55) ; U4.P7 v2(49.13,34.55) ; U4.H4 v2(54.73,36.95) ; 81.51,31.82 UNK1V8.1 ; UNK1V8.1 81.51,33.35 ; UNK1V8.1 82.27,32.59 ; U4.H15 v2(54.33,27.15) ; 40.27,9.21 U7.1 ; U7.1 U7.2 ; U7.1 39.84,9.98 ; U4.B13 v2(59.53,28.95) ; U7.16 U7.15 ; U7.16 38.57,10.91 ; U7.16 39.35,10.48 ; U13.B4 v2(73.61,45.31) ; U4.J6 v2(53.13,35.35) ; v1(65.25,29.54) 65.25,29.78 R74.1 ; R84.2 66.64,38.43 v1(67.54,38.43) ; U4.A6 v2(60.43,34.95) ; R47.2 v1(65.12,39.23) ; U4.G4 v2(55.53,36.95) ; U4.H9 v2(53.93,32.95) ; v1(77.44,22.3) 77.3,22.44 U15.14 ; U4.K8 v2(52.33,33.75) ; R8.1 v1(72.6,36.9) ; C10.1 41.57,8.91 ; C10.1 41.16,8.46 ; C10.1 41.57,8 ; Y1.4 78.4,34.54 C163.2 v1(78.97,35.89) ; U4.N10 v2(49.93,31.35) ; U7.2 40.92,9.21 ; U4.C10 v2(58.73,31.35) ; U15.28 76.8,29.28 v1(76.81,29.28) ; U4.J4 v2(53.13,36.95) ; U4.M13 v2(50.73,28.95) ; U15.11 v1(75.8,22.31) ; U4.J12 v2(53.13,29.75) ; U4.D7 v2(57.93,34.55) ; U4.K9 v2(52.33,32.95) ; U15.8 v1(74.1,23.44) ; U4.R14 v2(48.33,28.15) ; U4.J8 v2(53.13,33.75) ; U4.L6 v2(52.33,34.55)
  TOP w0.508: R44.1 39.63,55.19 ; R44.1 39.08,54.63 ; R44.1 39.63,54.07
  TOP w0.635: C22.1 32.42,11.06 ; C22.1 33.06,10.36 ; C22.1 32.42,9.66 ; E4.1 34.23,12.3 ; E4.1 33.25,11.45 ; E4.1 32.27,12.3
  TOP w0.762: 37.25,54.62 C83.1 ; C83.1 38.95,54.62 ; C83.1 38.1,55.42 ; C82.1 36.02,55.42 ; C82.1 36.87,54.62 ; C82.1 35.16,54.62
  TOP w1.016: 83.12,35.93 L5.2 81.76,35.15
  TOP w1.27: 83.75,31.44 C149.1 84.81,32.7 ; C150.1 84.81,35.75 ; C150.1 83.75,34.49 ; C150.1 84.81,33.23
  BOTTOM w0.203: 82.92,34.88 v1(82.9,34.87)
  BOTTOM w0.254: C186.1 65.16,64.87 U9.1 ; R107.1 61.18,63.17 U10.5 61.07,63.91 C190.1 60.59,64.53 R94.1
  BOTTOM w0.305: U1.3 27.66,54.61 ; R50.2 v1(80.36,45.03) ; C162.1 59.23,30.85 v2(58.73,31.35) 59.03,31.65 59.34,31.65 C69.1 ; C186.1 v1(65.06,65.61) ; R14.1 v1(75.54,47.57) ; U1.16 25.97,57.61 ; U1.16 26.4,56.83 ; U1.16 25.97,56.84 U1.15 25.32,57.3 25.75,57.73 ; C90.1 v2(46.62,32.56) C78.1 ; C190.1 61.89,64.34 v1(62.71,64.34) ; C108.1 v2(46.62,30.94) ; C107.1 v2(59.83,25.64) C113.1 ; 26.89,56.34 U1.1 27.67,55.91 ; v2(73.61,45.31) 73.23,45.69 C48.1 ; C161.1 56.91,28.36 v2(57.13,28.15) ; C111.1 59.64,28.35 R76.1 ; C52.1 60.43,35.27 v2(60.43,34.95) 60.43,34.63 C53.1 60.61,33.97 60.93,33.65 R45.1 ; v1(75.79,29.28) C154.1 ; U1.2 27.67,55.26 ; v2(57.14,25.64) 56.96,25.46 C117.1 ; R57.1 79.81,35.89 v1(78.97,35.89) ; v1(73.16,33.6) 73.16,32.79 R13.1 ; C140.1 v1(76.81,29.28) C168.1 ; C120.1 49.13,33.85 ; v1(64.23,32.84) 64.14,32.75 R83.1 ; C118.1 50.63,28.85 v2(50.73,28.95) 50.82,29.04 C110.1 ; R64.2 84.68,35.25 ; 26.01,58.02 26.01,58.43 26.46,58.43 ; v2(54.33,27.15) 54.35,27.16 C119.1
  BOTTOM w0.406: 49.13,33.85 49.13,33.85 v2(49.13,34.55) 48.61,34.55 48.29,34.24 C51.1 ; C116.1 49.32,31.35 v2(49.93,31.35) 50.63,32.05 R46.2 ; C114.1 48.33,27.64 v2(48.33,28.15) 48.33,28.65 C112.1 ; C109.1 v2(54.34,25.64) C105.1 ; C111.1 59.53,28.95 v2(59.53,28.95) ; 43.53,32.95 43.53,31.45 43.57,31.42 C77.1 43.53,31.33 43.53,29.79 43.99,29.33 v2(44.04,29.33) ; C67.1 v2(51.93,25.64) C106.1 ; C115.1 v2(57.14,25.64) ; C50.1 62.04,30.95 v2(62.03,30.95) 62.04,30.94 C159.1 v2(62.04,29.75) C160.1 62.04,28.45 v2(62.03,28.45) 62.03,27.8 C103.1 62.83,27.8 v2(62.83,28.45)
  BOTTOM w0.508: R11.1 65.92,39.23 v1(65.12,39.23) ; v2(46.71,24.73) 45.74,24.73 C104.1 45.38,24.71 v2(44.42,24.71) ; v1(68.3,44.9) 67.6,44.9 E5.1 67.52,43.89 v1(68.3,43.89) ; v1(70.58,42.75) R122.2 ; v2(47.34,24.73) 48.31,24.73 C65.1 48.68,24.71 v2(49.63,24.71) ; 43.53,32.95 43.53,33.22 v1(44.3,33.98) 44.04,34.24 44.04,35.73 C76.1 v1(44.02,37.16)
  BOTTOM w0.635: 84.24,34.11 C152.1 ; C152.1 84.87,34.81 ; C152.1 84.87,33.41 ; 84.24,32.59 C153.1 ; C153.1 84.87,31.89 ; C153.1 84.87,33.28 ; v1(69.38,38.36) 69.59,38.15 C174.1 69.59,36.63 69.99,36.23 E1.1
  BOTTOM w0.762: 64.2,31.32 C49.1 ; C49.1 65.25,32.57 ; C49.1 65.25,30.06 ; 65.25,29.14 C158.1 64.2,27.89
  vias: v1(28.09,55.93) v1(28.09,55.31) v1(28.09,54.63) v1(28.75,55.93) v1(28.75,55.29) v1(28.8,54.63) v1(29.4,55.93) v1(29.41,55.29) v1(29.44,54.63) v1(33.5,11) v1(33.5,10.36) v1(33.5,9.73) v1(34.14,11) v1(34.14,10.36) v1(34.14,9.73) v1(35.15,56.21) v1(36.04,56.21) v1(37.06,56.21) v1(38.07,56.21) v1(40.23,8.33) v1(40.23,7.69) v1(40.23,7.06) v1(40.87,8.33) v1(40.87,7.69) v1(40.87,7.06) v1(41.5,7.69) v1(41.5,7.06) v1(64.49,29.54) v1(64.88,32.84) v1(65.52,32.84) v1(65.89,29.54) v1(82.9,34.11) v1(82.9,33.35) v1(82.9,32.59) v1(82.9,31.82) v1(82.9,31.06) v1(83.54,34.87) v1(83.54,34.11) v1(83.54,33.35) v1(83.54,32.59) v1(83.54,31.82) v1(83.54,31.06)
1V35: length 42.3
  TOP w0.203: U14.1 40.8,56.08 40.68,55.95 v1(40.44,55.95)
  TOP w0.305: U2.E9 v2(57.62,48.67) ; U2.N9 51.62,49.07 v2(52.02,49.47) ; U2.B2 v2(60.82,55.07) ; U2.A8 v2(61.62,49.47) ; U2.H2 v2(56.02,55.07) ; U2.A1 v2(61.62,55.87) ; U2.G7 v2(56.82,51.07) ; U2.F1 v2(57.62,55.87) ; C60.1 63.22,38.07 v2(63.14,38.16) ; v2(55.53,39.35) 55.53,39.35 U4.F1 ; U2.K2 v2(53.62,55.07) ; U2.C1 v2(60.02,55.87) ; U2.R1 v2(49.62,55.87) ; U4.R4 v2(48.23,36.55) ; 81.63,55.45 UNK1V35.1 80.87,54.68 ; U4.M3 v2(50.73,37.75) ; U2.H9 v2(55.22,48.67) ; U4.E4 v2(57.13,36.95) ; U2.D9 v2(58.42,48.67) ; U2.N1 v2(51.22,55.87) ; U4.B3 v2(59.53,37.75) ; U2.R9 v2(50.42,49.47) ; U2.D2 v2(59.22,55.07) ; U2.C9 v2(60.02,48.67) ; U4.J2 v2(53.13,38.55) ; U2.K8 v2(53.62,49.47)
  TOP w0.406: v2(51.73,42.15) 52.23,42.15 C58.1 ; C57.1 54.03,42.15 v2(53.53,42.15) ; C56.1 v1(45.82,35.27)
  TOP w0.635: 82.99,55.14 C151.1 83.63,54.44
  TOP w1.016: 83.86,52.11 C145.1 ; C145.1 82.95,53.16 ; C145.1 83.86,54.21 ; 64.37,54.56 C100.1 ; C100.1 66.89,54.56 ; C100.1 65.63,53.5 ; 82.95,50.75 C148.1 ; C148.1 83.86,49.69 ; C148.1 83.86,51.8
  BOTTOM w0.203: v1(83.92,49.48) 84.3,49.1 R62.1
  BOTTOM w0.305: v2(56.82,51.07) 56.3,51.07 C92.1 ; C88.1 61.62,56.47 v2(61.62,55.87) ; C89.1 54.22,54.47 v2(53.62,55.07) ; v2(55.22,48.67) 55.3,48.75 C91.1 ; C97.1 61.7,49.39 v2(61.62,49.47) ; UNK1V35.1 v1(82.01,55.45) ; C86.1 50.11,49.47 v2(50.42,49.47) ; v2(53.13,38.55) 53.63,38.55 R41.2 ; C87.1 60.63,48.67 v2(60.02,48.67) ; C94.1 59.84,56.05 v2(60.02,55.87) ; v2(49.62,55.87) 49.53,55.95 C96.1 ; C61.1 47.52,36.34 ; v2(57.62,55.87) 57.71,55.96 C95.1
  BOTTOM w0.406: v2(53.13,38.55) 53.12,38.56 C59.1 ; C55.1 55.53,39.76 55.53,39.35 v2(55.53,39.35) ; 47.52,36.34 47.73,36.55 v2(48.23,36.55)